# Altium PCB Mother_Board_PCB.PcbDoc (part 1 of 2)
Units mm, origin at the board's own origin, x right, y up, seen from the top; angles counter-clockwise.
Board outline 169 x 150.57 mm, 2 copper layers (Top Layer, Bottom Layer), stack 1.57 mm thick; 88 components, 81 nets, 390 pads, 163 vias.
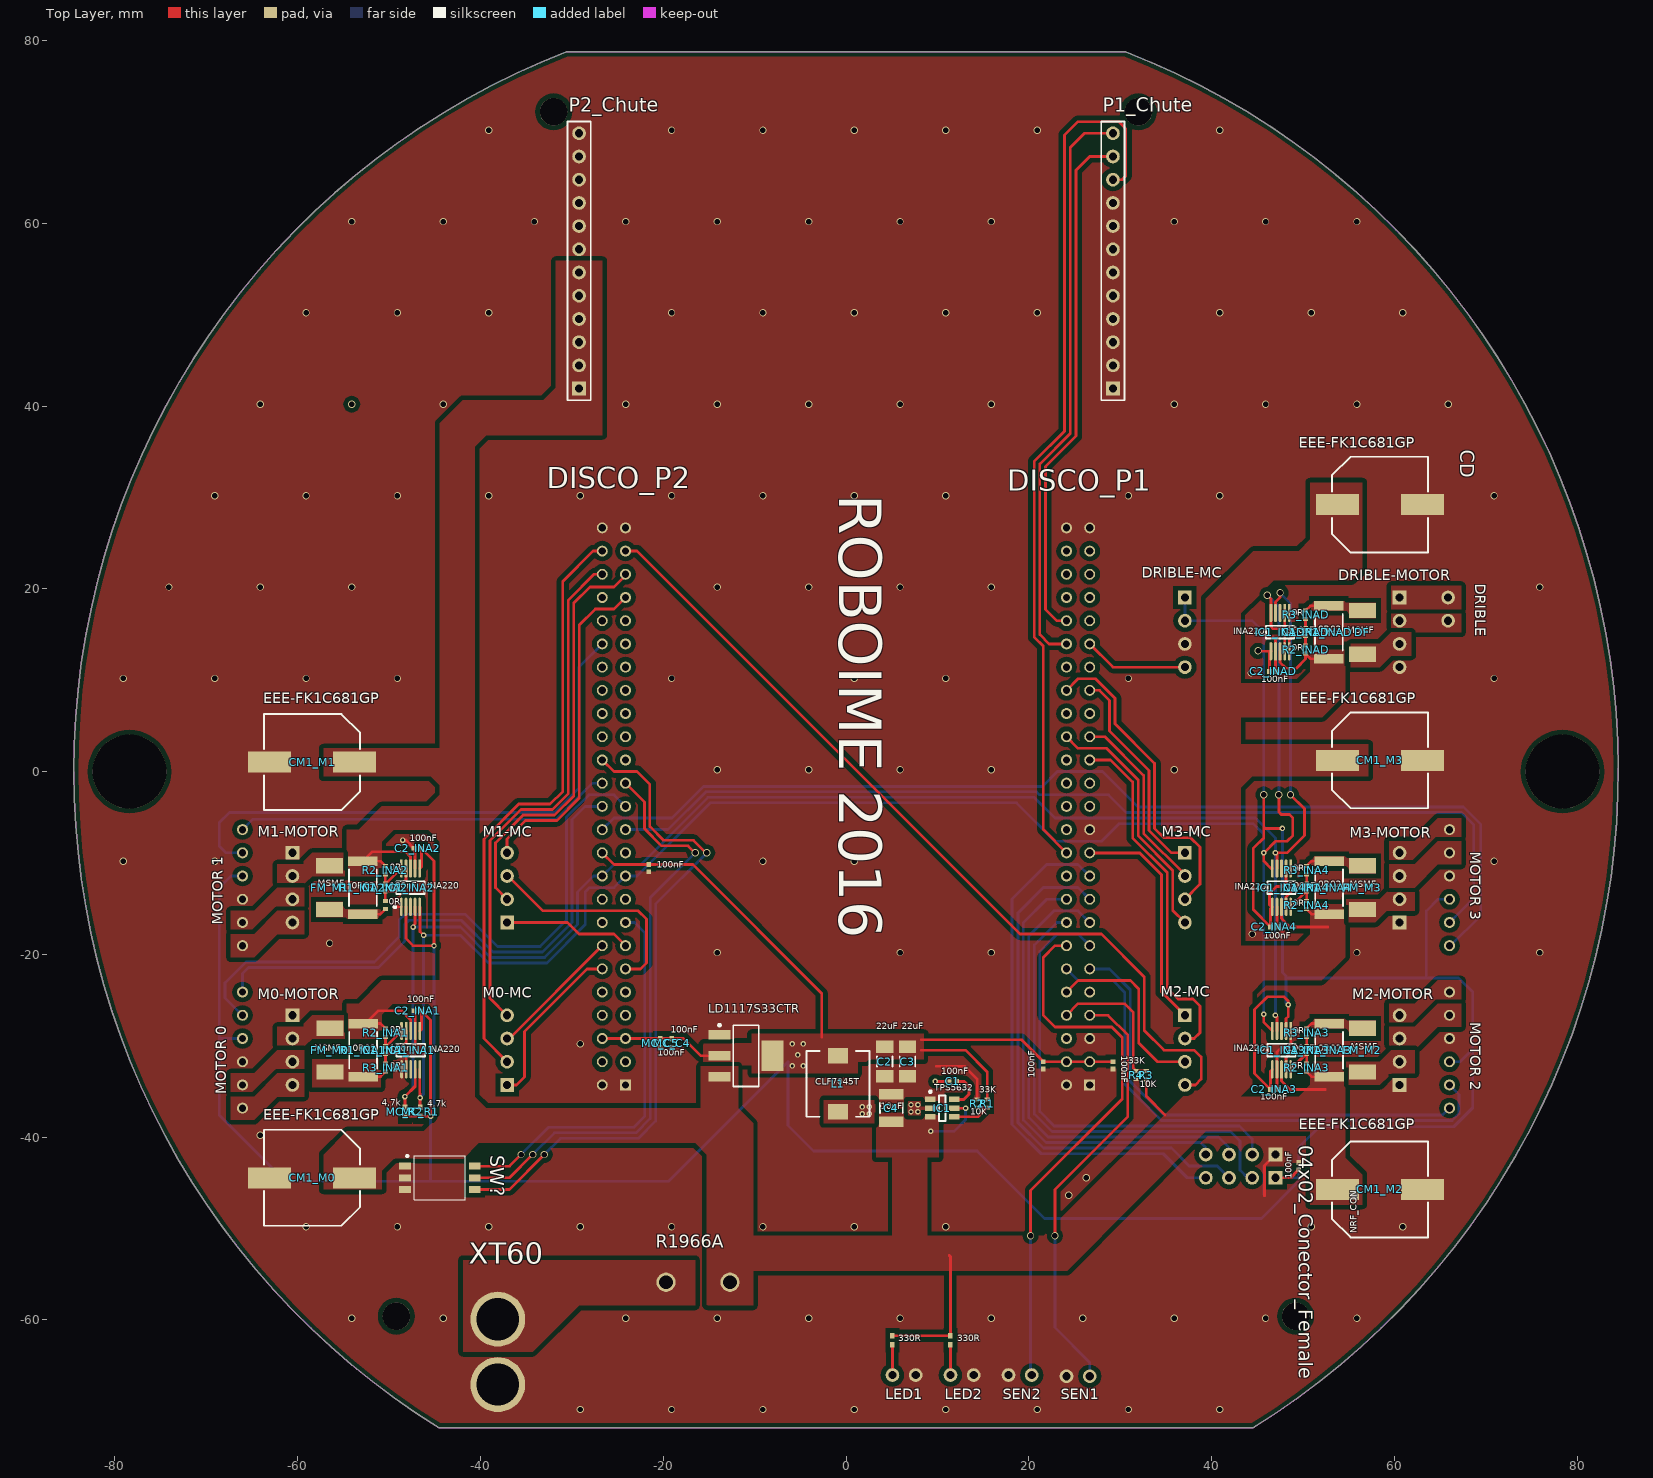
[diagram p0: Top Layer view]
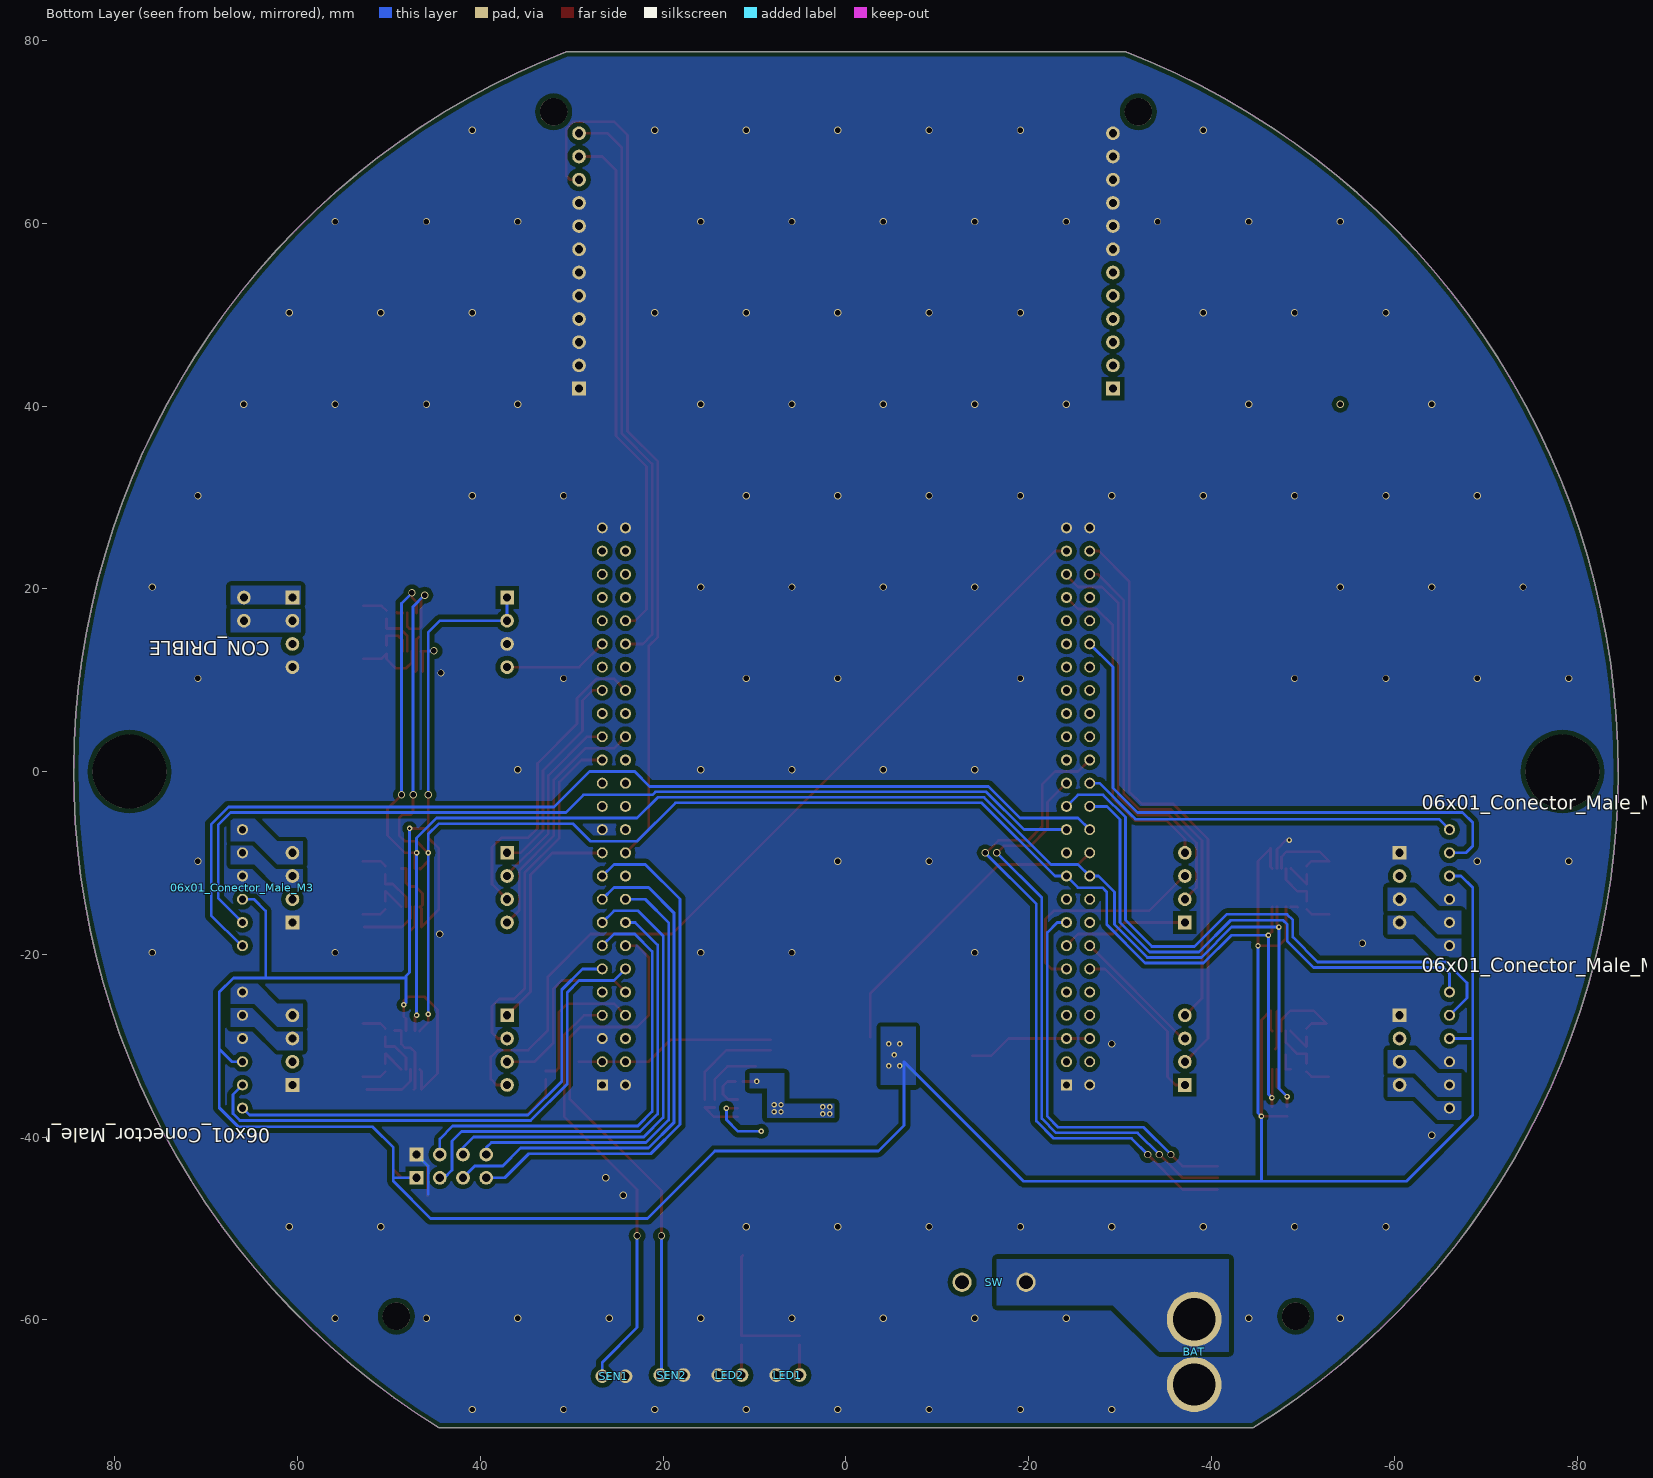
[diagram p1: Bottom Layer view, seen from below]
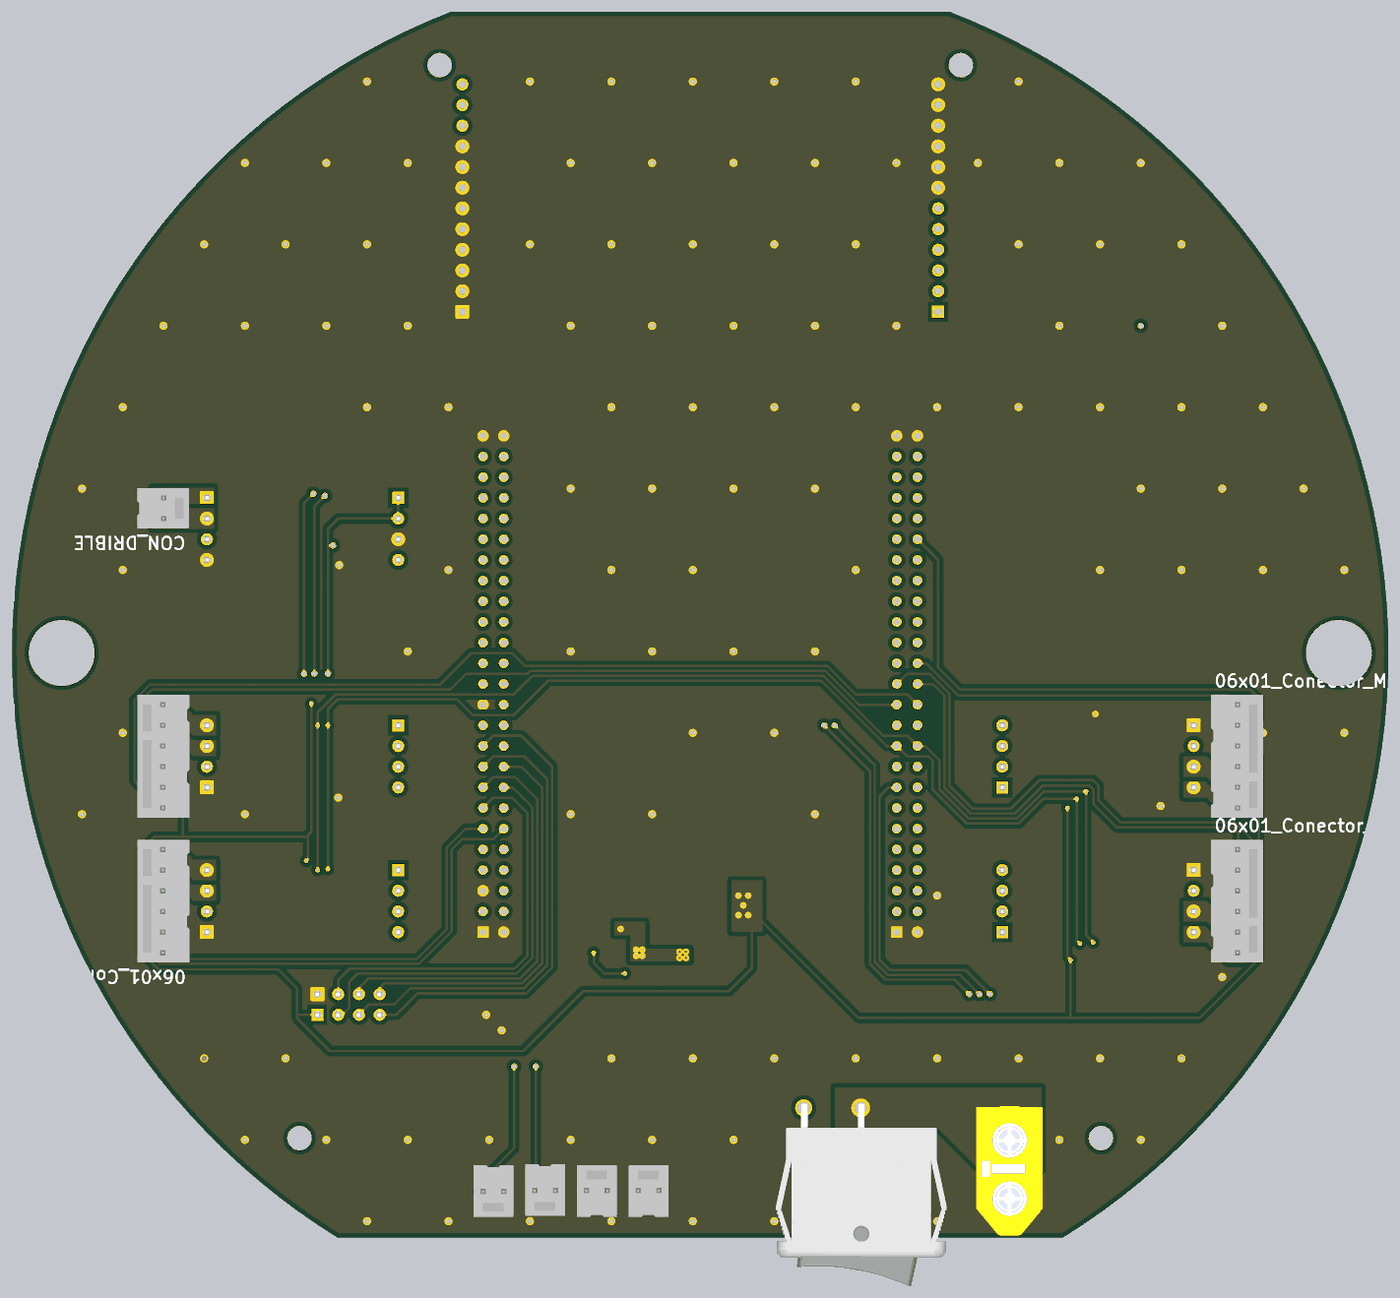
[diagram p3: 3D render of the assembled board from below, using the file's embedded part models]

## Layer stack, top to bottom
Top Solder: solder mask 0.01, Solder Resist, Dk 3.5
Top Layer: signal copper 0.035
Dielectric 1: dielectric 1.5, FR-4, Dk 4.8
Bottom Layer: signal copper 0.035
Bottom Solder: solder mask 0.01, Solder Resist, Dk 3.5

## Board outline
-30.603,78.764 -33.364,77.635 -36.083,76.409 -38.757,75.088 -41.383,73.673 -43.957,72.167 -46.477,70.57 -48.938,68.886 -51.339,67.116 -53.676,65.262 -55.946,63.327 -58.146,61.313 -60.274,59.223 -62.326,57.059 -64.301,54.823 -66.196,52.52 -68.008,50.151 -69.736,47.72 -71.377,45.229 -72.928,42.681 -74.389,40.081 -75.758,37.431 -77.031,34.734 -78.209,31.993 -79.29,29.213 -80.271,26.396 -81.153,23.547 -81.933,20.668 -82.612,17.764 -83.187,14.837 -83.659,11.892 -84.027,8.932 -84.29,5.961 -84.447,2.982 -84.5,0 -84.448,-2.959 -84.293,-5.914 -84.034,-8.861 -83.672,-11.798 -83.208,-14.72 -82.642,-17.625 -81.974,-20.508 -81.205,-23.365 -80.338,-26.194 -79.371,-28.991 -78.307,-31.752 -77.148,-34.474 -75.893,-37.154 -74.546,-39.789 -73.107,-42.375 -71.579,-44.908 -69.962,-47.387 -68.26,-49.807 -66.475,-52.167 -64.607,-54.462 -62.661,-56.691 -60.637,-58.85 -58.54,-60.937 -56.37,-62.949 -54.132,-64.885 -51.827,-66.74 -49.458,-68.514 -47.029,-70.203 -44.542,-71.807 44.542,-71.807 47.04,-70.196 49.479,-68.499 51.857,-66.717 54.171,-64.852 56.418,-62.907 58.595,-60.884 60.7,-58.786 62.729,-56.615 64.681,-54.374 66.553,-52.066 68.343,-49.694 70.048,-47.26 71.667,-44.767 73.197,-42.22 74.636,-39.62 75.983,-36.971 77.236,-34.276 78.394,-31.539 79.454,-28.763 80.416,-25.951 81.279,-23.107 82.041,-20.235 82.702,-17.337 83.261,-14.418 83.716,-11.482 84.068,-8.531 84.316,-5.569 84.46,-2.601 84.499,0.371 84.434,3.342 84.264,6.309 83.99,9.268 83.612,12.215 83.131,15.148 82.547,18.062 81.861,20.953 81.073,23.819 80.186,26.655 79.199,29.458 78.114,32.225 76.933,34.952 75.656,37.636 74.286,40.273 72.824,42.86 71.271,45.394 69.631,47.872 67.905,50.291 66.094,52.648 64.202,54.94 62.23,57.163 60.182,59.316 58.059,61.396 55.864,63.399 53.6,65.324 51.27,67.169 48.876,68.93 46.422,70.606 43.911,72.195 41.345,73.694 38.728,75.103 36.063,76.418 33.354,77.639 30.603,78.764

## Design rules (kind name [scope] priority, off if disabled: settings)
Clearance Clearance_1 [All] p1: gap=0.3 ignorepadtopadclearanceinfootprint=FALSE except(0: Arc-Hole Track-Hole SMDPad-Hole THPad-Hole Via-Hole Fill-Hole Poly-Hole Region-Hole Text-Hole; 0.2: Track-Track Track-SMDPad SMDPad-SMDPad; 0.5: Arc-Poly Track-Poly SMDPad-Poly THPad-Poly Via-Poly Fill-Poly Poly-Poly Poly-Region Poly-Text)
HoleSize [All] p1: absolutevalues=TRUE maxlimit=10 minlimit=0.025 maxpercent=80.000 minpercent=20.000
MinimumSolderMaskSliver [All] p1 off: minsoldermaskwidth=0.2
PlaneConnect [All] p1: planeconnectstyle=Direct reliefexpansion=0.508 reliefentries=4 reliefconductorwidth=0.254 reliefairgap=0.254
PolygonConnect PolygonConnect_3 [InNet('GND')] p1: connectstyle=Direct reliefconductorwidth=0.254 reliefentries=4 polygonreliefangle="90 Angle" airgapwidth=0.254
PolygonConnect PolygonConnect_1 [InNetClass('DIRECT')] p2: connectstyle=Direct reliefconductorwidth=0.508 reliefentries=4 polygonreliefangle="90 Angle" airgapwidth=0.254
PolygonConnect PolygonConnect_2 [IsVia] p3: connectstyle=Direct reliefconductorwidth=0.254 reliefentries=4 polygonreliefangle="90 Angle" airgapwidth=0.254
PolygonConnect "Schematic Polygon Connect Style" [InComponent('C3')] p4: connectstyle=Direct reliefconductorwidth=0.254 reliefentries=4 polygonreliefangle="45 Angle" airgapwidth=0.254
PolygonConnect "Schematic Polygon Connect Style_1" [InComponent('C2')] p5: connectstyle=Direct reliefconductorwidth=0.254 reliefentries=4 polygonreliefangle="45 Angle" airgapwidth=0.254
PolygonConnect "Schematic Polygon Connect Style_2" [InComponent('L1')] p6: connectstyle=Direct reliefconductorwidth=0.254 reliefentries=4 polygonreliefangle="45 Angle" airgapwidth=0.254
PolygonConnect [All] p7: connectstyle=Direct reliefconductorwidth=0.3 reliefentries=4 polygonreliefangle="90 Angle" airgapwidth=0.254
RoutingVias [All] p1: holewidth=0.7 width=1 viastyle="Through Hole" minholewidth=0.5 minwidth=0.7 maxholewidth=6 maxwidth=6
SilkToSilkClearance [All] p1 off: silktosilkclearance=0.254
SilkToSolderMaskClearance [IsPad] p1 off: minsilkscreentomaskgap=0.254 clearancetoexposedcopper=TRUE
SolderMaskExpansion [All] p1: expansion=0.102
Width [All] p1: maxlimit=1.016 minlimit=0.254 preferedwidth=0.3
25 further rules are at their usual default settings.

## Classes and differential pairs
channel class INA220: INA1 INA2 INA3 INA4
component class INA2: C1_INA2 C2_INA2 IC1_INA2 R1_INA2 R2_INA2 R3_INA2
component class INA3: C1_INA3 C2_INA3 IC1_INA3 R1_INA3 R2_INA3 R3_INA3
component class INA4: C1_INA4 C2_INA4 IC1_INA4 R1_INA4 R2_INA4 R3_INA4
component class INA1: C1_INA1 C2_INA1 IC1_INA1 R1_INA1 R2_INA1 R3_INA1
component class POWER: BAT C1 C2 C3 C4 IC1 IC? L1 R1 R2 R3 R4 SW
net class DIRECT: DA DB MA_M0 MA_M1 MA_M2 MA_M3 MB_M0 MB_M1 MB_M2 MB_M3 NetC1_2 NetC1_M0_2 NetC1_M1_2 NetC1_M2_2 NetC1_M3_2 NetCON_DM_1 NetDF_1 NetFM_M0_2 NetFM_M1_2 NetFM_M2_2 NetFM_M3_2 "V+ BAT_INA1"
component class M0: 06x01_Conector_Male_M0 C1_M0 C3_M0 CM1_M0 FM_M0
component class M1: 06x01_Conector_Male_M1 C1_M1 C3_M1 CM1_M1 FM_M1
component class M2: 06x01_Conector_Male_M2 C1_M2 C3_M2 CM1_M2 FM_M2
component class M3: 06x01_Conector_Male_M3 C1_M3 C3_M3 CM1_M3 FM_M3
component class Mother_board1: 04x02_Conector_Female 100nF 330R CD CON_DRIBLE DF DISCO_P1 DISCO_P2 DRIBLE-MC DRIBLE-MOTOR LED1 LED2 MC_C4 MC_C5 MC_R1 MC_R2 NRF_CON P1_Chute P2_Chute SEN1 SEN2 SW?
channel class MOTORES: M0 M1 M2 M3
component class INAD: C1_INAD C2_INAD IC1_INAD R1_INAD R2_INAD R3_INAD

## Components (designator, comment, footprint, x,y, rotation, side; value= is the part's Value field where it differs from the comment)
0R "0R" 0402-RES-HD -50.412,-14.604 r270 top (schematic designator R3)
04x02_Conector_Female "PPPC042LFBN-RC" 04x02_Conector_Female 43.18,-43.18 r0 top
06x01_Conector_Male_M0 "MOTOR 0" 06x01_Conector_Male -66.167,-30.48 r90 bottom (schematic designator 06x01_Conector_Male)
06x01_Conector_Male_M1 "MOTOR 1" 06x01_Conector_Male -66.167,-12.7 r90 bottom (schematic designator 06x01_Conector_Male)
06x01_Conector_Male_M2 "MOTOR 2" 06x01_Conector_Male 66.167,-30.48 r270 bottom (schematic designator 06x01_Conector_Male)
06x01_Conector_Male_M3 "MOTOR 3" 06x01_Conector_Male 66.167,-12.7 r270 bottom (schematic designator 06x01_Conector_Male)
100nF "100nF" 0402-CAP 21.59,-32.15 r90 top (schematic designator MC_C2)
100nF "100nF" 0402-CAP 29.21,-32.15 r270 top (schematic designator MC_C3)
100nF "100nF" 0402-CAP -21.59,-10.56 r90 top (schematic designator MC_C1)
330R "330" 0402 5.08,-62.23 r270 top (schematic designator RL1)
330R "330" 0402 11.43,-62.23 r270 top (schematic designator RL2)
BAT "XT60" BATTERY_CONECTO-PCB -38.1,-63.5 r270 bottom
C1 "100nF" 0402-CAP 11.684,-33.909 r180 top
C1_INA1 "100nF" 0402-CAP -50.387,-30.48 r270 top (schematic designator C1)
C1_INA2 "100nF" 0402-CAP -50.412,-12.7 r270 top (schematic designator C1)
C1_INA3 "100nF" 0402-CAP 50.412,-30.48 r90 top (schematic designator C1)
C1_INA4 "100nF" 0402-CAP 50.412,-12.7 r90 top (schematic designator C1)
C1_INAD "100nF" 0402-CAP 50.292,15.26 r90 top (schematic designator C1)
C2 "22uF" 1206-CAP 4.227,-31.726 r90 top
C2_INA1 "100nF" 0402-CAP -46.863,-26.176 r180 top (schematic designator C2)
C2_INA2 "100nF" 0402-CAP -46.863,-8.396 r180 top (schematic designator C2)
C2_INA3 "100nF" 0402-CAP 46.863,-34.784 r0 top (schematic designator C2)
C2_INA4 "100nF" 0402-CAP 46.863,-17.004 r0 top (schematic designator C2)
C2_INAD "100nF" 0402-CAP 46.736,10.957 r0 top (schematic designator C2)
C3 "22uF" 1206-CAP 6.731,-31.726 r90 top
C4 "10uF" PCBComponent 4.953,-36.83 r270 top
CD "EEE-FK1C681GP" EEE-FK1C681GP 58.42,29.21 r0 top
CM1_M0 "EEE-FK1C681GP" EEE-FK1C681GP -58.42,-44.45 r180 top (schematic designator CM1)
CM1_M1 "EEE-FK1C681GP" EEE-FK1C681GP -58.42,1.037 r180 top (schematic designator CM1)
CM1_M2 "EEE-FK1C681GP" EEE-FK1C681GP 58.42,-45.72 r0 top (schematic designator CM1)
CM1_M3 "EEE-FK1C681GP" EEE-FK1C681GP 58.42,1.23 r0 top (schematic designator CM1)
CON_DRIBLE "DRIBLE" 02x01_Conector_Male 65.888,17.78 r270 bottom
DF "MSMF" MF-MSMF250/16X-PCB 56.515,15.24 r270 top
DISCO_P1 "SFH11-PBPC-D25-ST-BK" 25x02_Conector_Female 25.4,-3.81 r90 top
DISCO_P2 "SFH11-PBPC-D25-ST-BK" 25x02_Conector_Female -25.4,-3.81 r90 top
DRIBLE-MC "PPPC041LFBN-RC" "04x01_Conector_Female - duplicate" 37.084,15.24 r90 top (schematic designator CON_DMc)
DRIBLE-MOTOR "PPPC041LFBN-RC" "04x01_Conector_Female - duplicate" 60.579,15.24 r90 top (schematic designator CON_DM)
FM_M0 "MSMF" RESC4632X16N -56.49,-30.48 r270 top (schematic designator FM)
FM_M1 "MSMF" RESC4632X16N -56.515,-12.7 r270 top (schematic designator FM)
FM_M2 "MSMF" RESC4632X16N 56.515,-30.48 r90 top (schematic designator FM)
FM_M3 "MSMF" RESC4632X16N 56.515,-12.7 r90 top (schematic designator FM)
IC1 "TPS5632" SOT95P280X110-6N 10.541,-36.83 r0 top
IC1_INA1 "INA220" TSSOP10 -47.633,-30.48 r90 top (schematic designator IC1)
IC1_INA2 "INA220" TSSOP10 -47.657,-12.7 r90 top (schematic designator IC1)
IC1_INA3 "INA220" TSSOP10 47.657,-30.48 r270 top (schematic designator IC1)
IC1_INA4 "INA220" TSSOP10 47.657,-12.7 r270 top (schematic designator IC1)
IC1_INAD "INA220" TSSOP10 47.498,15.261 r270 top (schematic designator IC1)
L1 "CLF7045T" CLF7045T -0.889,-34.165 r180 top
LD1117S33CTR "LD1117S33CTR" SOT-223_N -10.943,-31.101 r0 top (schematic designator IC?)
LED1 "0022112022" 02x01_Conector_Male 6.35,-66.04 r180 bottom
LED2 "0022112022" 02x01_Conector_Male 12.7,-66.04 r180 bottom
M0-MC "PPPC041LFBN-RC" 04x01_Conector_Female -37.084,-30.48 r270 top (schematic designator C3)
M0-MOTOR "PPPC041LFBN-RC" 04x01_Conector_Female -60.579,-30.48 r90 top (schematic designator C1)
M1-MC "PPPC041LFBN-RC" 04x01_Conector_Female -37.084,-12.7 r270 top (schematic designator C3)
M1-MOTOR "PPPC041LFBN-RC" 04x01_Conector_Female -60.579,-12.7 r90 top (schematic designator C1)
M2-MC "PPPC041LFBN-RC" 04x01_Conector_Female 37.084,-30.48 r90 top (schematic designator C3)
M2-MOTOR "PPPC041LFBN-RC" 04x01_Conector_Female 60.579,-30.48 r270 top (schematic designator C1)
M3-MC "PPPC041LFBN-RC" 04x01_Conector_Female 37.084,-12.7 r90 top (schematic designator C3)
M3-MOTOR "PPPC041LFBN-RC" 04x01_Conector_Female 60.579,-12.7 r270 top (schematic designator C1)
MC_C4 "100nF" 0402 -19.05,-29.71 r90 top
MC_C5 "100nF" 0402 -20.32,-29.71 r90 top
MC_R1 "4,7k" 0402 -46.609,-37.211 r270 top
MC_R2 "4,7k" 0402 -48.26,-37.211 r270 top
NRF_CON "100nF" 0402-CAP 49.53,-43.18 r90 top (schematic designator NRF_C1)
P1_Chute "Header 12" HDR1X12 29.21,41.91 r90 top
P2_Chute "Header 12" HDR1X12 -29.21,41.91 r90 top
R1 "33K" 0402-RES-HD 15.455,-36.322 r90 top
R1_INA1 "0R02" 2512-RES-HD -52.841,-30.48 r90 top (schematic designator R1)
R1_INA2 "0R02" 2512-RES-HD -52.866,-12.7 r90 top (schematic designator R1)
R1_INA3 "0R02" 2512-RES-HD 52.866,-30.48 r270 top (schematic designator R1)
R1_INA4 "0R02" 2512-RES-HD 52.866,-12.7 r270 top (schematic designator R1)
R1_INAD "0R02" 2512-RES-HD 52.832,15.24 r270 top (schematic designator R1)
R2 "10K" 0402-RES-HD 14.351,-36.322 r270 top
R2_INA1 "0R" 0402-RES-HD -50.387,-28.576 r90 top (schematic designator R2)
R2_INA2 "0R" 0402-RES-HD -50.412,-10.796 r90 top (schematic designator R2)
R2_INA3 "0R" 0402-RES-HD 50.412,-32.385 r270 top (schematic designator R2)
R2_INA4 "0R" 0402-RES-HD 50.412,-14.605 r270 top (schematic designator R2)
R2_INAD "0R" 0402-RES-HD 50.292,13.356 r270 top (schematic designator R2)
R3 "10K" 0402-RES-HD 32.854,-33.216 r270 top
R3_INA1 "0R" 0402-RES-HD -50.387,-32.384 r270 top (schematic designator R3)
R3_INA3 "0R" 0402-RES-HD 50.412,-28.575 r90 top (schematic designator R3)
R3_INA4 "0R" 0402-RES-HD 50.412,-10.796 r90 top (schematic designator R3)
R3_INAD "0R" 0402-RES-HD 50.292,17.165 r90 top (schematic designator R3)
R4 "33K" 0402-RES-HD 31.75,-33.206 r90 top
SEN1 "0022112022" 02x01_Conector_Male 25.4,-66.167 r0 bottom (schematic designator SENSOR1)
SEN2 "0022112022" 02x01_Conector_Male 19.05,-66.04 r0 bottom (schematic designator SENSOR2)
SW "R1966A" R1966AB-PCB -19.583,-66.421 r90 bottom
SW? "416131160803" 416131160803 -44.45,-44.45 r270 top

## Footprints (in the part's own frame and the unit in brackets; to place one, negate y for a bottom-side part, rotate by r counter-clockwise, add the part's x,y. Pads: shape width x height; smd on the part's side, far side on the other; paste and mask are expansions set on the pad)
02x01_Conector_Male [mm] "0022112022"
  round 1.5 hole 0.9: 1(-1.27,0) 2(1.27,0)
  body extent -2.46,-3.25 2.46,3.1, height 3.14
04x01_Conector_Female [mm] "PPPC041LFBN-RC"
  round 1.5 hole 0.9: 0(-3.81,0) 1(-1.27,0) 2(1.27,0)
  rect 1.5x1.5 hole 0.9: 3(3.81,0)
  body extent -5.33,-1.27 5.33,1.27, height 8.5
"04x01_Conector_Female - duplicate" [mm] "PPPC041LFBN-RC"
  round 1.5 hole 0.9: 0(-3.81,0) 1(-1.27,0) 2(1.27,0)
  rect 1.5x1.5 hole 0.9: 3(3.81,0)
  body extent -5.33,-1.27 5.33,1.27, height 8.5
04x02_Conector_Female [mm] "PPPC042LFBN-RC"
  round 1.5 hole 0.9: 0(-3.81,1.27) 1(-1.27,1.27) 2(1.27,1.27) 4(-3.81,-1.27) 5(-1.27,-1.27) 6(1.27,-1.27)
  rect 1.5x1.5 hole 0.9: 3(3.81,1.27) 7(3.81,-1.27)
  body extent -5.3,-2.55 5.36,2.53, height 8.52
06x01_Conector_Male [mil] "0022112062"
  round 47.25 hole 31.5: 1(250,5) 2(150,5) 3(50,5) 4(-50,5) 5(-150,5) 6(-250,5)
  body extent -297,-115 297,135, height 124
25x02_Conector_Female [mil] "SFH11-PBPC-D25-ST-BK"
  rect 47.25x47.25 hole 31.5: 1(-1200,-50)
  round 47.25 hole 31.5: 2(-1200,50) 3(-1100,-50) 4(-1100,50) 5(-1000,-50) 6(-1000,50) 7(-900,-50) 8(-900,50) 9(-800,-50) 10(-800,50) 11(-700,-50) 12(-700,50) 13(-600,-50) 14(-600,50) 15(-500,-50) 16(-500,50) 17(-400,-50) 18(-400,50) 19(-300,-50) 20(-300,50) 21(-200,-50) 22(-200,50) 23(-100,-50) 24(-100,50) 25(0,-50) 26(0,50) 27(100,-50) 28(100,50) 29(200,-50) 30(200,50) 31(300,-50) 32(300,50) 33(400,-50) 34(400,50) 35(500,-50) 36(500,50) 37(600,-50) 38(600,50) 39(700,-50) 40(700,50) 41(800,-50) 42(800,50) 43(900,-50) 44(900,50) 45(1000,-50) 46(1000,50) 47(1100,-50) 48(1100,50) 49(1200,-50) 50(1200,50)
  body extent -1350,-121 1350,115, height 333
0402 [mm] "Chip Capacitor, Body 1.0x0.5mm, IPC High Density"
  rect 0.6x0.5 smd: 1(-0.5,0) 2(0.5,0)
  body extent -0.55,-0.3 0.55,0.3, height 1.3
0402-CAP [mm] "Chip Capacitor, Body 1.0x0.5mm, Height 0.6mm, IPC Medium Density"
  rect 0.52x0.52 smd: 1(-0.4,0) 2(0.4,0)
  body extent -0.55,-0.3 0.55,0.3, height 0.33
0402-RES-HD [mm] "Chip Resistor, Body 1.0x0.5mm, IPC High Density"
  rect 0.45x0.55 smd: 1(-0.45,0) 2(0.45,0)
  body extent -0.52,-0.27 0.53,0.28, height 0.4
1206-CAP [mm] "Chip Capacitor, Body 3.2x1.6mm, Height 1.7mm, IPC Low Density"
  rect 1.35x1.9 smd: 1(-1.6,0) 2(1.6,0)
  silkscreen extent -0.55,-0.85 0.55,0.85, body extent -1.7,-0.9 1.7,0.9, height 1.7
2512-RES-HD [mm] "Chip Resistor, Body 6.4x3.2mm, IPC High Density"
  rect 1.05x3.25 smd: 1(-2.9,0) 2(2.9,0)
  silkscreen extent -2,-1.52 2,1.53, body extent -3.25,-1.7 3.25,1.7, height 0.75
416131160803 [mm] "03p, 1.27mm Pitch, Horizontal, HP Type, SMT, flat Actuator, black, with Tape, T&R"
  rect 0.76x1.27 smd: 1(-1.27,-3.81) 2(0,-3.81) 3(1.27,-3.81) 4(1.27,3.81) 5(0,3.81) 6(-1.27,3.81)
  silkscreen extent -2.47,-3.66 2.42,2.8, body extent -2.42,-4 2.43,4, height 2.06
BATTERY_CONECTO-PCB [mm]
  round 6 hole 4.62: 0(-3.58,0) 1(3.58,0)
  body extent -7.82,-4.19 8.08,3.96, height 16.4
CLF7045T [mm]
  rect 2.2x1.7 smd: 1(0,3.05) 2(0,-3.05)
  silkscreen extent -3.45,-3.6 3.45,3.6, body extent -3.5,-3.6 3.5,3.6, height 4.51
EEE-FK1C681GP [mm] "Aluminum Electrolytic Capacitor, Body 10,30x10,30x10,50mm, IPC Low Density"
  rect 4.7x2.3 smd: 1(-4.65,0) 2(4.65,0)
  silkscreen extent -5.25,-5.25 5.25,5.25, body extent -5.65,-5.21 5.65,5.09, height 10.41
HDR1X12 [mm] "Connector; Header; 12 Position"
  rect 1.5x1.5 hole 0.9: 1(0,0)
  round 1.5 hole 0.9: 2(2.54,0) 3(5.08,0) 4(7.62,0) 5(10.16,0) 6(12.7,0) 7(15.24,0) 8(17.78,0) 9(20.32,0) 10(22.86,0) 11(25.4,0) 12(27.94,0)
  silkscreen extent -1.27,-1.27 29.21,1.27
MF-MSMF250/16X-PCB [mm] "Chip PTC RESETTABLE"
  rect 1.68x2.95 smd: 1(-2.39,0) 2(2.39,0)
  body extent -2.3,-1.62 2.3,1.62, height 1.15
PCBComponent [mm]
  rect 1.15x2.7 smd: 1(-1.5,0) 2(1.5,0)
  silkscreen extent -0.55,-1.25 0.55,1.25, body extent -1.7,-1.4 1.7,1.4, height 2.8
R1966AB-PCB [mm] "SWITCH ROCKER SPST 15A 125V"
  round 2.1 hole 1.5: 0(10.541,-0.117)
  round 2.1 hole 1.5 paste+0: 1(10.541,6.883)
  body extent -11.38,-10.67 11.12,10.28, height 15.6
RESC4632X16N [mm] "Chip Resistor, 2-Leads, Body 4,60x3,24mm, IPC Medium Density"
  rect 1.68x2.95 smd: 1(-2.39,0) 2(2.39,0)
  body extent -2.3,-1.62 2.3,1.62, height 1.15
SOT95P280X110-6N [mm] "SOT23, 6-Leads, Body 2,90x2,80mm, Pitch 0,95mm, IPC Medium Density"
  rect 1.15x0.6 smd: 1(-1.3,0.95) 2(-1.3,0) 3(-1.3,-0.95) 4(1.3,-0.95) 5(1.3,0) 6(1.3,0.95)
  silkscreen extent -1.42,-1.4 0.35,1.92, body extent -0.72,-1.37 0.72,1.38, height 1.1
SOT-223_N [mm] "SOT223, 4-Leads, Body 6.5x3.5mm, Pitch 2.3mm, Lead Span 7mm, IPC Medium Density"
  rect 2.4x1 smd: 1(-2.9,2.3) 2(-2.9,0) 3(-2.9,-2.3)
  rect 2.4x3.3 smd: 4(2.9,0)
  silkscreen extent -3.02,-3.35 1.4,3.47, body extent -1.85,-3.35 1.85,3.35, height 1.8
TSSOP10 [mm] "TSSOP, 10-Leads, Body 3x3mm, Pitch 0.5mm, IPC Low Density"
  oval 2x0.3 smd: 1(-2.1,1) 2(-2.1,0.5) 3(-2.1,0) 4(-2.1,-0.5) 5(-2.1,-1) 6(2.1,-1) 7(2.1,-0.5) 8(2.1,0) 9(2.1,0.5) 10(2.1,1)
  silkscreen extent -2.22,-1.55 0.7,1.82, body extent -1.55,-1.55 1.55,1.55, height 1.1

## Part data
0R R2_INA1 R2_INA2 R2_INA3 R2_INA4 R2_INAD R3_INA1 R3_INA3 R3_INA4 R3_INAD: library part R0402-0R-7, "RES 0.0 OHM 1/16W JUMP 0402 SMD"
04x02_Conector_Female: library part 04x02_Conector_Female, "8 Position Header Connector 0.100\" (2.54mm) Through Hole Gold"
06x01_Conector_Male_M0 06x01_Conector_Male_M1 06x01_Conector_Male_M2 06x01_Conector_Male_M3: library part 06x01_Conector_Male, "CONN HEADER 6POS .100 VERT GOLD"
100nF 100nF 100nF C1_INA1 C1_INA2 C1_INA3 C1_INA4 C1_INAD C2_INA1 C2_INA2 C2_INA3 C2_INA4 C2_INAD NRF_CON: library part CC0402-100nF-A.12, "CAP CER 0.1UF 10V 20% X5R 0402"
330R 330R MC_R1 MC_R2: library part Res1, "Resistor"
BAT: library part BATTERY_CONNECTOR, "XT60 PRT-10474"
C1: library part CC0402-100nF-50v-A.3, "CAP CER 0.1UF 50V 10% X7R 0402"
C2 C3: library part CC1206-22uF-6.3V-1, "CAP CER 22UF 6.3V 20% X5R 1206"
C4: library part CC1210-10uF-2, "CAP CER 10UF 50V 20% X5R 1210"
CD CM1_M0 CM1_M1 CM1_M2 CM1_M3: library part "CAP AL 680UF/16V", "Aluminum Electrolytic Capacitors - SMD Al Lytic Cap SMT FK Series 105C"
CON_DRIBLE LED1 LED2 SEN1 SEN2: library part 02x01_Conector_Male, "CONN HEADER 2POS .100 VERT GOLD"
DF: library part MF-MSMF250/16X-2, "PTC RESETTABLE"
DISCO_P1 DISCO_P2: library part 25x02_Conector_Female, "50 Position Header Connector 0.100\" (2.54mm) Through Hole Gold"
DRIBLE-MC DRIBLE-MOTOR M0-MC M0-MOTOR M1-MC M1-MOTOR M2-MC M2-MOTOR M3-MC M3-MOTOR: library part 04x01_Conector_Female-SCH, "4 Position Header Connector 0.100\" (2.54mm) Through Hole Gold"
FM_M0 FM_M1 FM_M2 FM_M3: library part MF-MSMF250/16X-01.A.1, "PTC RESETTABLE .30A 30V 1812"
IC1: library part TPS563200DDCT-01.A.2, "IC REG BUCK ADJ 3A SYNC 6SOT"
IC1_INA1 IC1_INA2 IC1_INA3 IC1_INA4 IC1_INAD: library part INA220BIDGST-3, "IC MONITOR PWR/CURR BIDIR 10MSOP"
L1: library part CLF7045T-4R7N-H-2, "FIXED IND 4.7UH 4.1A 20 MOHM SMD"
LD1117S33CTR: library part CMP-0244-00307-1, "Fixed Low Drop Positive Voltage Regulator, 3.3V, 4-Pin SOT-223, Tape and Reel"
MC_C4 MC_C5: library part Cap, "Capacitor"
P1_Chute P2_Chute: "Header, 12-Pin"
R1 R4: library part R0402-33K-7, "RES 33K OHM 1/10W 1% 0402 SMD"
R1_INA1 R1_INA2 R1_INA3 R1_INA4 R1_INAD: library part R2512-0R02-4, "RES .02 OHM 2W 1% 2512 SMD"
R2 R3: library part R0402-10K-10, "RES 10K OHM 1/10W 1% 0402 SMD"
SW: library part "Rocker Switch", "SWITCH ROCKER SPST 15A 125V"
SW?: library part CMP-1433-00003-1, "WS-DISV 1.27 mm small compact SMD Dip Switch with top tape"

## Free pads (board coordinates)
  round 8.083 hole 8.083: 1(-78.408,0) 1(78.408,0)
  round 3 hole 3: 1(-49.202,-59.598) 1(-32,72.199) 1(32,72.199) 1(49.202,-59.598)

## Via types
v1: diameter 0.8, hole 0.6, Top Layer to Bottom Layer, 134 vias
v2: diameter 0.6, hole 0.3, Top Layer to Bottom Layer, 29 vias

## Nets (pads, with @x,y where several pads share a name; then routed paths per layer and width w, separated by ;. In a path a pad name is that pad's centre, name@x,y a point inside that pad or via, vN(x,y) a via of type N, cw(c..) or ccw(c..) an arc to the next point about the centre after c; other vN are vias at no path point)
BAT_REF: DISCO_P1.8 R3.1 R4.2 | length 15.9
  Top Layer w0.3: DISCO_P1.8@24.13,-26.67 25.4,-25.4 30.48,-25.4 31.439,-26.359 31.439,-32.445 R4.2@31.75,-32.756 31.76,-32.766 R3.1@32.854,-32.766
CA: DISCO_P1.40 P1_Chute.12 | length 63.4
  Top Layer w0.3: DISCO_P1.40@24.13,13.97 22.225,13.97 21.209,14.986 21.209,33.655 24.541,36.987 24.541,68.306 26.085,69.85 P1_Chute.12@29.21,69.85
CB: DISCO_P1.42 P1_Chute.11 | length 56.9
  Top Layer w0.3: DISCO_P1.42@24.13,16.51 23.055,16.51 21.829,17.736 21.829,33.386 25.161,36.718 25.161,65.801 26.67,67.31 P1_Chute.11@29.21,67.31
CT: DISCO_P1.22 P1_Chute.10 | length 95.8
  Top Layer w0.3: DISCO_P1.22@24.13,-8.89 21.59,-6.35 21.59,13.716 20.589,14.717 20.589,33.912 23.921,37.244 23.921,69.641 25.4,71.12 29.845,71.12 30.607,70.358 30.607,65.151 30.226,64.77 P1_Chute.10@29.21,64.77
DA: CON_DRIBLE.2 DRIBLE-MOTOR.2
DAH: DISCO_P1.39 DRIBLE-MC.0 | length 11.5
  Top Layer w0.3: DISCO_P1.39@26.67,13.97 29.21,11.43 DRIBLE-MC.0@37.084,11.43
DB: CON_DRIBLE.1 DRIBLE-MOTOR.3
GND: 04x02_Conector_Female.3 06x01_Conector_Male_M0.4 06x01_Conector_Male_M1.4 06x01_Conector_Male_M2.4 06x01_Conector_Male_M3.4 100nF.1@21.59,-32.55 100nF.1@-21.59,-10.96 100nF.2@29.21,-32.55 BAT.1 C2.1 C2_INA1.2 C2_INA2.2 C2_INA3.2 C2_INA4.2 C2_INAD.2 C3.1 C4.1 CD.2 CM1_M0.2 CM1_M1.2 CM1_M2.2 CM1_M3.2 DISCO_P1.1 DISCO_P1.2 DISCO_P1.5 DISCO_P1.23 DISCO_P1.49 DISCO_P1.50 DISCO_P2.1 DISCO_P2.2 DISCO_P2.49 DISCO_P2.50 DRIBLE-MC.1 DRIBLE-MOTOR.0 IC1.1 IC1_INA1.1 IC1_INA1.2 IC1_INA1.7 IC1_INA2.1 IC1_INA2.7 IC1_INA3.1 IC1_INA3.7 IC1_INA4.7 IC1_INAD.1 IC1_INAD.7 LD1117S33CTR.1 LED1.1 LED2.1 M0-MOTOR.3 M1-MOTOR.3 M2-MOTOR.3 M3-MOTOR.3 MC_C4.1 MC_C5.1 NRF_CON.2 P1_Chute.1 P1_Chute.2 P1_Chute.3 P1_Chute.4 P1_Chute.5 P1_Chute.6 P1_Chute.7 P1_Chute.8 P1_Chute.9 P2_Chute.7 P2_Chute.8 P2_Chute.9 P2_Chute.10 P2_Chute.11 P2_Chute.12 R2.1 R4.1 SEN1.1 SEN2.1 SW?.1 SW?.2 SW?.3 | length 43.9
  Top Layer w0.3: -49.403,-14.859 -49.344,-14.8 IC1_INA2.1@-48.657,-14.8 ; IC1_INA1.1@-48.633,-32.58 IC1_INA1.2@-48.133,-32.58 -48.133,-30.988 ; v2(-48.514,-7.493) -48.166,-7.493 C2_INA2.2@-47.263,-8.396 -47.157,-8.501 IC1_INA2.7@-47.157,-10.6 ; C2_INA1.2@-47.263,-26.176 -47.133,-26.306 IC1_INA1.7@-47.133,-28.38 -47.133,-30.21 -46.99,-30.353 ; 9.906,-32.258 12.954,-32.258 14.351,-33.655 R2.1@14.351,-35.872 ; 45.79,-46.412 45.79,-43.11 04x02_Conector_Female.3@46.99,-41.91 ; 46.736,14.732 46.998,14.47 IC1_INAD.7@46.998,13.161 46.998,11.095 C2_INAD.2@47.136,10.957 ; IC1_INA4.7@47.157,-14.8 47.157,-16.899 C2_INA4.2@47.263,-17.004 47.777,-17.518 ; C2_INA3.2@47.263,-34.784 47.157,-34.679 IC1_INA3.7@47.157,-32.58 47.157,-30.694 47.625,-30.226 48.26,-30.226 48.657,-29.829 IC1_INA3.1@48.657,-28.38 48.716,-28.321 49.403,-28.321 ; IC1_INAD.1@48.498,17.361 49.111,17.361 49.149,17.399
  Bottom Layer w0.3: 45.72,-46.228 45.72,-43.18 04x02_Conector_Female.3@46.99,-41.91
  other v1: -29.089,-69.807 -19.089,-69.807 -9.089,-69.807 0.911,-69.807 10.911,-69.807 20.911,-69.807 30.911,-69.807 40.911,-69.807 -54.089,-59.807 -44.089,-59.807 -24.089,-59.807 -14.089,-59.807 -4.089,-59.807 5.911,-59.807 15.911,-59.807 25.911,-59.807 35.911,-59.807 45.911,-59.807 55.911,-59.807 -59.089,-49.807 -49.089,-49.807 -39.089,-49.807 -29.089,-49.807 -19.089,-49.807 -9.089,-49.807 0.911,-49.807 10.911,-49.807 50.911,-49.807 60.911,-49.807 24.384,-46.355 26.289,-44.45 -64.089,-39.807 -29.089,-29.807 -14.089,-19.807 5.911,-19.807 15.911,-19.807 55.911,-19.807 75.911,-19.807 -56.515,-18.796 44.45,-17.78 -79.089,-9.807 -69.089,-9.807 -9.089,-9.807 0.911,-9.807 70.911,-9.807 -14.089,0.193 -4.089,0.193 5.911,0.193 15.911,0.193 35.911,0.193 -79.089,10.193 -69.089,10.193 -59.089,10.193 -49.089,10.193 -19.089,10.193 0.911,10.193 10.911,10.193 30.911,10.193 70.911,10.193 44.323,10.795 -74.089,20.193 -64.089,20.193 -54.089,20.193 -14.089,20.193 -4.089,20.193 5.911,20.193 15.911,20.193 75.911,20.193 -69.089,30.193 -59.089,30.193 -49.089,30.193 -39.089,30.193 -29.089,30.193 -19.089,30.193 -9.089,30.193 0.911,30.193 10.911,30.193 30.911,30.193 40.911,30.193 70.911,30.193 -64.089,40.193 -44.089,40.193 -24.089,40.193 -14.089,40.193 -4.089,40.193 5.911,40.193 15.911,40.193 35.911,40.193 45.911,40.193 55.911,40.193 65.911,40.193 -59.089,50.193 -49.089,50.193 -39.089,50.193 -19.089,50.193 -9.089,50.193 0.911,50.193 10.911,50.193 20.911,50.193 40.911,50.193 50.911,50.193 60.911,50.193 -54.089,60.193 -44.089,60.193 -34.089,60.193 -24.089,60.193 -14.089,60.193 -4.089,60.193 5.911,60.193 15.911,60.193 35.911,60.193 45.911,60.193 55.911,60.193 -39.089,70.193 -19.089,70.193 -9.089,70.193 0.911,70.193 10.911,70.193 20.911,70.193 40.911,70.193
I2C.SCL: DISCO_P2.19 IC1_INA1.5 IC1_INA2.5 IC1_INA3.5 IC1_INA4.5 IC1_INAD.2 IC1_INAD.5 MC_R1.1 | length 193.8
  Top Layer w0.3: IC1_INA2.5@-46.657,-14.8 -46.621,-14.836 -46.621,-17.514 v2(-46.228,-17.907) ; IC1_INA1.5@-46.633,-32.58 -46.633,-34.647 v2(-46.609,-35.687) MC_R1.1@-46.609,-36.711 ; v2(45.72,-26.551) 45.72,-27.443 IC1_INA3.5@46.657,-28.38 ; v1(46.101,19.304) 46.498,18.907 IC1_INAD.5@46.498,17.361 46.498,15.859 46.736,15.621 47.752,15.621 47.998,15.867 IC1_INAD.2@47.998,17.361 ; IC1_INA4.5@46.647,-10.6 46.579,-10.668 45.72,-9.809 v2(45.72,-8.89) 46.99,-7.62 48.26,-7.62 48.895,-6.985 48.895,-5.08 48.514,-4.699 47.625,-4.699 47.371,-4.445 v1(47.371,-2.54)
  Bottom Layer w0.3: v2(-46.609,-35.687) -46.228,-35.306 v2(-46.228,-17.907) -42.164,-17.907 -39.129,-20.942 -32.724,-20.942 -28.532,-16.75 -28.532,-13.179 -28.053,-12.7 -25.4,-12.7 DISCO_P2.19@-24.13,-11.43 -22.86,-11.43 -14.851,-3.421 18.661,-3.421 22.86,-7.62 27.94,-7.62 29.845,-5.715 44.577,-5.715 45.72,-6.858 v2(45.72,-8.89) v2(45.72,-26.551) ; v1(46.101,19.304) 47.371,18.034 v1(47.371,-2.54)
I2C.SDA: DISCO_P2.20 IC1_INA1.4 IC1_INA2.4 IC1_INA3.4 IC1_INA4.4 IC1_INAD.4 MC_R2.1 | length 189.7
  Top Layer w0.3: MC_R2.1@-48.26,-36.711 v2(-48.26,-35.56) -47.133,-34.433 IC1_INA1.4@-47.133,-32.58 ; v2(-47.371,-17.018) -47.371,-16.891 -47.157,-16.677 IC1_INA2.4@-47.157,-14.8 ; v2(46.99,-26.67) 47.157,-26.837 IC1_INA3.4@47.157,-28.38 ; IC1_INAD.4@46.998,17.361 46.998,18.55 47.498,19.05 v1(47.498,19.558) ; IC1_INA4.4@47.157,-10.6 47.157,-9.057 v2(46.99,-8.89) 48.26,-8.89 50.165,-6.985 50.165,-4.064 v1(48.641,-2.54)
  Bottom Layer w0.3: v2(-48.26,-35.56) -47.371,-34.671 v2(-47.371,-17.018) -42.204,-17.018 -38.88,-20.342 -32.973,-20.342 -29.377,-16.746 -29.377,-13.176 -27.631,-11.43 DISCO_P2.20@-26.67,-11.43 -25.4,-10.16 -22.439,-10.16 -15.1,-2.821 20.601,-2.821 22.86,-5.08 44.791,-5.08 46.99,-7.279 v2(46.99,-8.89) v2(46.99,-26.67) ; v1(47.498,19.558) 48.641,18.415 v1(48.641,-2.54)
M0_ENCA: 06x01_Conector_Male_M0.2 DISCO_P2.25 | length 67.8
  Bottom Layer w0.3: 06x01_Conector_Male_M0.2@-66.04,-26.67 -67.945,-24.765 -67.945,-23.114 -65.659,-20.828 -51.607,-20.828 -48.895,-18.116 -48.895,-16.256 -48.26,-15.621 -41.656,-15.621 -38.135,-19.142 -33.47,-19.142 -30.577,-16.249 -30.577,-4.983 -28.134,-2.54 -25.4,-2.54 DISCO_P2.25@-24.13,-3.81
M0_ENCB: 06x01_Conector_Male_M0.1 DISCO_P2.26 | length 59.5
  Bottom Layer w0.3: 06x01_Conector_Male_M0.1@-66.04,-24.13 -66.04,-22.098 -65.38,-21.438 -51.156,-21.438 -48.295,-18.577 -48.295,-16.754 -47.809,-16.268 -42.106,-16.268 -38.632,-19.742 -33.221,-19.742 -29.977,-16.498 -29.977,-5.232 -28.555,-3.81 DISCO_P2.26@-26.67,-3.81
M0_MAH: DISCO_P2.46 M0-MC.0 | length 56.7
  Top Layer w0.3: M0-MC.0@-37.084,-26.67 -38.954,-24.8 -38.954,-7.545 -35.565,-4.156 -32.136,-4.156 -30.388,-2.408 -30.388,18.761 -27.559,21.59 DISCO_P2.46@-26.67,21.59
M0_MAL: DISCO_P2.14 M0-MC.1 | length 14.6
  Top Layer w0.3: M0-MC.1@-37.084,-29.21 -36.83,-29.21 DISCO_P2.14@-26.67,-19.05
M0_MBH: DISCO_P2.48 M0-MC.2 | length 64.9
  Top Layer w0.3: M0-MC.2@-37.084,-31.75 -39.624,-29.21 -39.624,-7.366 -35.814,-3.556 -32.385,-3.556 -30.988,-2.159 -30.988,20.828 -27.686,24.13 DISCO_P2.48@-26.67,24.13